# Altium PCB Main_Board.PcbDoc (part 11 of 19)
Units mil, origin at the board's own origin, x right, y up, seen from the top; angles counter-clockwise.
Board outline 5306 x 6610 mil, 12 copper layers ((L1) Top, (L2) Inner 1, (L3) Inner 2, (L4) Inner 3, (L5) Inner 4, (L6) Inner 5, (L7) Inner 6, (L8) Inner 7, (L9) Inner 8, (L10) Inner 9, (L11) Inner 10, (L12) Bottom), stack 94.81 mil thick; 347 components, 571 nets, 2611 pads, 4053 vias.
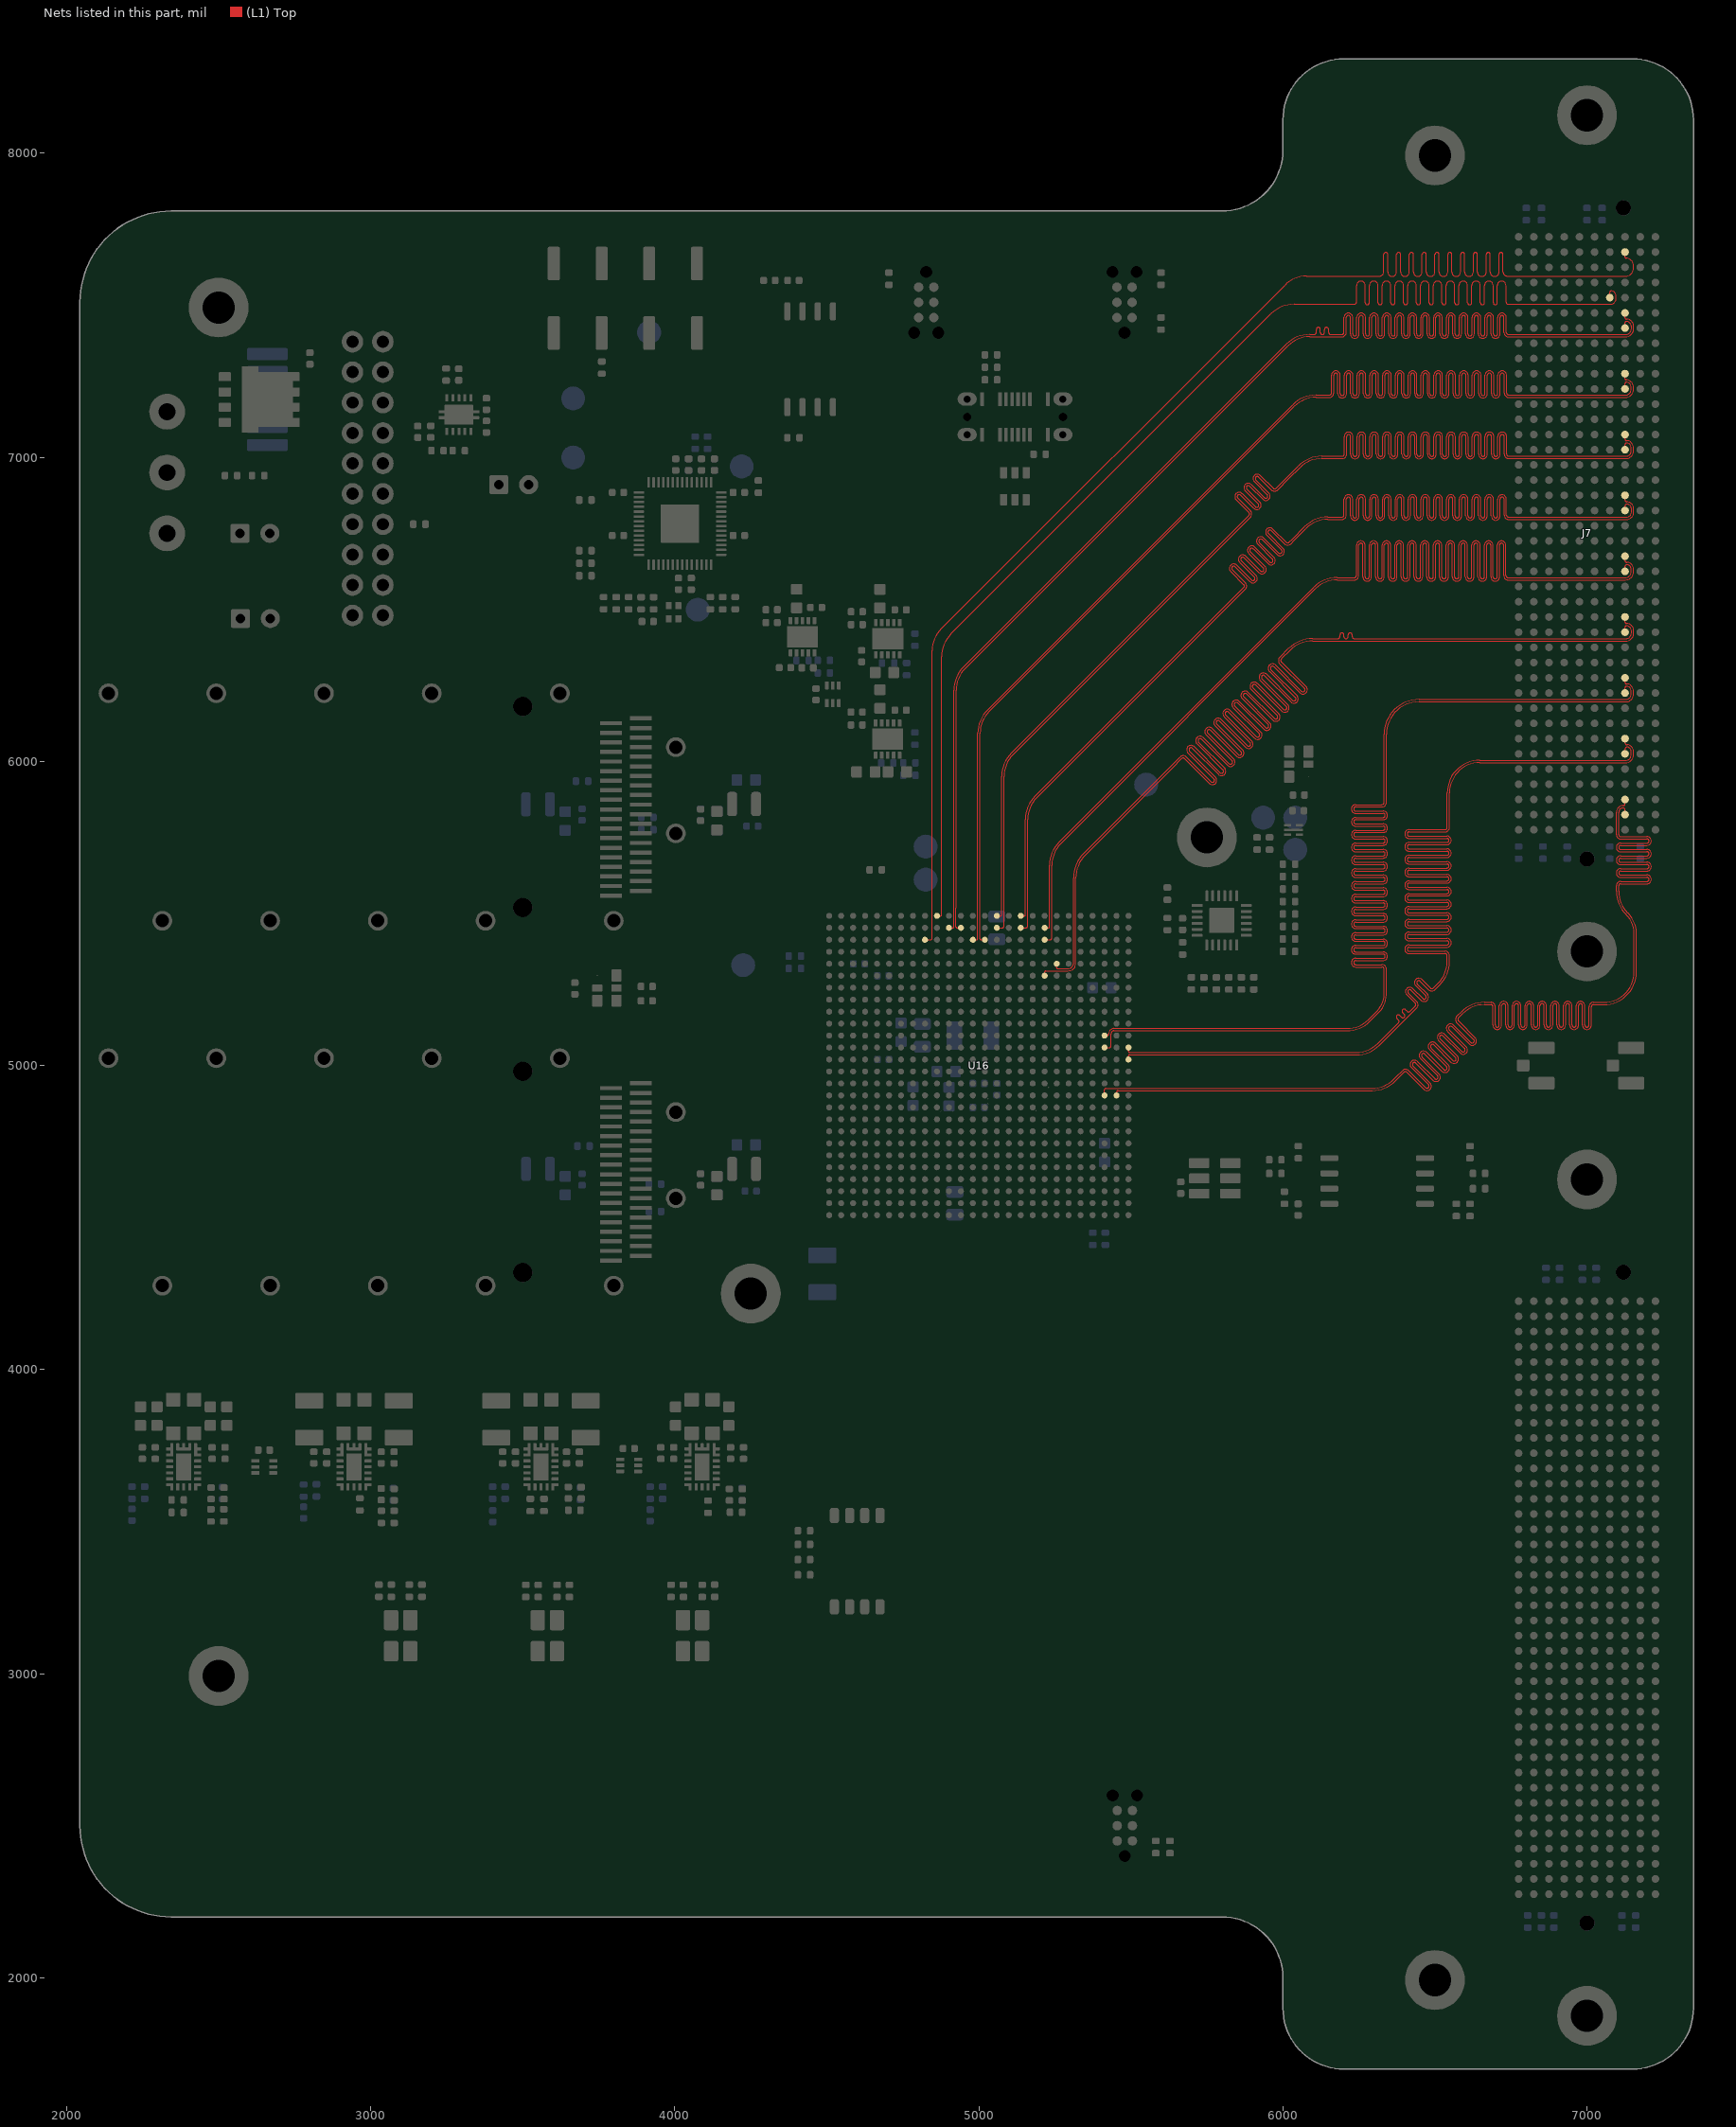
[diagram p21: the nets of this part, all layers, seen from the top]

## Via types
v1: diameter 13.78, hole 7.87, (L1) Top to (L12) Bottom, tented both sides, 4044 vias
v2: diameter 13.78, hole 7.87, (L1) Top to (L12) Bottom, tented bottom, 9 vias

## Nets (pads, with @x,y where several pads share a name; then routed paths per layer and width w, separated by ;. In a path a pad name is that pad's centre, name@x,y a point inside that pad or via, vN(x,y) a via of type N, cw(c..) or ccw(c..) an arc to the next point about the centre after c; other vN are vias at no path point) (continued)
HPCC_B_06_P: J7.C2 U16.C9 | length 5280.4
  (L1) Top w3.5: U16.C9@4822.83,5413.39 4840.74,5413.39 ccw(c4840.74,5419) 4846.35,5419 4846.35,5518.55 4846.55,5518.75 4846.55,6365.13 cw(c4946.55,6365.13) 4875.84,6435.84 6006.71,7566.71 cw(c6077.42,7496) 6077.42,7596 6311.77,7596 6317.29,7596 ccw(c6317.29,7610.3) 6331.59,7610.3 6331.59,7666.93 cw(c6338.34,7666.93) 6345.09,7666.93 6345.09,7609.22 ccw(c6359.39,7609.22) 6373.69,7609.22 6373.69,7666.93 cw(c6380.44,7666.93) 6387.19,7666.93 6387.19,7609.22 ccw(c6401.49,7609.22) 6415.79,7609.22 6415.79,7666.93 cw(c6422.54,7666.93) 6429.29,7666.93 6429.29,7609.22 ccw(c6443.59,7609.22) 6457.89,7609.22 6457.89,7666.93 cw(c6464.64,7666.93) 6471.39,7666.93 6471.39,7609.22 ccw(c6485.69,7609.22) 6499.99,7609.22 6499.99,7666.93 cw(c6506.74,7666.93) 6513.49,7666.93 6513.49,7609.22 ccw(c6527.79,7609.22) 6542.09,7609.22 6542.09,7666.93 cw(c6548.84,7666.93) 6555.59,7666.93 6555.59,7609.22 ccw(c6569.89,7609.22) 6584.19,7609.22 6584.19,7666.93 cw(c6590.94,7666.93) 6597.69,7666.93 6597.69,7609.22 ccw(c6611.99,7609.22) 6626.29,7609.22 6626.29,7666.93 cw(c6633.04,7666.93) 6639.79,7666.93 6639.79,7609.22 ccw(c6654.09,7609.22) 6668.39,7609.22 6668.39,7666.93 cw(c6675.14,7666.93) 6681.89,7666.93 6681.89,7609.22 ccw(c6696.19,7609.22) 6710.49,7609.22 6710.49,7666.93 cw(c6717.24,7666.93) 6723.99,7666.93 6723.99,7610.3 ccw(c6738.29,7610.3) 6738.29,7596 6771.94,7596 7126.55,7596 ccw(c7126.55,7622) 7152.55,7622 7152.55,7631 ccw(c7129,7631) 7129,7654.55 cw(c7129,7658.55) 7125,7658.55 J7.C2@7125,7675
HPCC_B_07_N: J7.C7 U16.B11 | length 5373.3
  (L1) Top w3.5: U16.B11@4901.57,5452.76 4914.08,5452.76 ccw(c4914.08,5456.26) 4916.56,5453.78 ccw(c4914.08,5456.26) 4917.58,5456.26 4917.58,6233.71 cw(c5025.13,6233.71) 4949.09,6309.76 6011.71,7372.38 cw(c6087.76,7296.34) 6087.76,7403.89 6101.17,7403.89 6102.92,7403.89 ccw(c6102.92,7410.64) 6109.67,7410.64 6109.67,7420.53 cw(c6116.42,7420.53) 6123.17,7420.53 6123.17,7410.44 ccw(c6129.92,7410.44) 6136.67,7410.44 6136.67,7420.53 cw(c6143.42,7420.53) 6150.17,7420.53 6150.17,7410.64 ccw(c6156.92,7410.64) 6156.92,7403.89 6167,7403.89 6167.64,7403.89 6194.12,7403.89 ccw(c6194.12,7410.64) 6200.87,7410.64 6200.87,7459.85 cw(c6215.17,7459.85) 6229.47,7459.85 6229.47,7405.79 ccw(c6236.22,7405.79) 6242.97,7405.79 6242.97,7459.85 cw(c6257.27,7459.85) 6271.57,7459.85 6271.57,7405.79 ccw(c6278.32,7405.79) 6285.07,7405.79 6285.07,7459.85 cw(c6299.37,7459.85) 6313.67,7459.85 6313.67,7405.79 ccw(c6320.42,7405.79) 6327.17,7405.79 6327.17,7459.85 cw(c6341.47,7459.85) 6355.77,7459.85 6355.77,7405.79 ccw(c6362.52,7405.79) 6369.27,7405.79 6369.27,7459.85 cw(c6383.57,7459.85) 6397.87,7459.85 6397.87,7405.79 ccw(c6404.62,7405.79) 6411.37,7405.79 6411.37,7459.85 cw(c6425.67,7459.85) 6439.97,7459.85 6439.97,7405.79 ccw(c6446.72,7405.79) 6453.47,7405.79 6453.47,7459.85 cw(c6467.77,7459.85) 6482.07,7459.85 6482.07,7405.79 ccw(c6488.82,7405.79) 6495.57,7405.79 6495.57,7459.85 cw(c6509.87,7459.85) 6524.17,7459.85 6524.17,7405.79 ccw(c6530.92,7405.79) 6537.67,7405.79 6537.67,7459.85 cw(c6551.97,7459.85) 6566.27,7459.85 6566.27,7405.79 ccw(c6573.02,7405.79) 6579.77,7405.79 6579.77,7459.85 cw(c6594.07,7459.85) 6608.37,7459.85 6608.37,7405.79 ccw(c6615.12,7405.79) 6621.87,7405.79 6621.87,7459.85 cw(c6636.17,7459.85) 6650.47,7459.85 6650.47,7405.79 ccw(c6657.22,7405.79) 6663.97,7405.79 6663.97,7459.85 cw(c6678.27,7459.85) 6692.57,7459.85 6692.57,7405.79 ccw(c6699.32,7405.79) 6706.07,7405.79 6706.07,7459.85 cw(c6720.37,7459.85) 6734.67,7459.85 6734.67,7410.64 ccw(c6741.42,7410.64) 6741.42,7403.89 6768,7403.89 7126.89,7403.89 ccw(c7126.89,7423) 7146,7423 7146,7430 ccw(c7129,7430) 7129,7447 ccw(c7129,7443) 7125,7443 J7.C7@7125,7425
HPCC_B_07_P: J7.C6 U16.B12 | length 5312.9
  (L1) Top w3.5: U16.B12@4940.94,5452.76 4928.43,5452.76 cw(c4928.43,5456.26) 4925.96,5453.78 cw(c4928.44,5456.26) 4924.93,5456.26 4924.93,5518.55 4925.13,5518.75 4925.13,6233.71 cw(c5025.13,6233.71) 4954.42,6304.42 6017.05,7367.05 cw(c6087.76,7296.34) 6087.76,7396.34 6167.64,7396.34 6194.12,7396.34 ccw(c6194.12,7410.64) 6208.42,7410.64 6208.42,7459.85 cw(c6215.17,7459.85) 6221.92,7459.85 6221.92,7405.79 ccw(c6236.22,7405.79) 6250.52,7405.79 6250.52,7459.85 cw(c6257.27,7459.85) 6264.02,7459.85 6264.02,7405.79 ccw(c6278.32,7405.79) 6292.62,7405.79 6292.62,7459.85 cw(c6299.37,7459.85) 6306.12,7459.85 6306.12,7405.79 ccw(c6320.42,7405.79) 6334.72,7405.79 6334.72,7459.85 cw(c6341.47,7459.85) 6348.22,7459.85 6348.22,7405.79 ccw(c6362.52,7405.79) 6376.82,7405.79 6376.82,7459.85 cw(c6383.57,7459.85) 6390.32,7459.85 6390.32,7405.79 ccw(c6404.62,7405.79) 6418.92,7405.79 6418.92,7459.85 cw(c6425.67,7459.85) 6432.42,7459.85 6432.42,7405.79 ccw(c6446.72,7405.79) 6461.02,7405.79 6461.02,7459.85 cw(c6467.77,7459.85) 6474.52,7459.85 6474.52,7405.79 ccw(c6488.82,7405.79) 6503.12,7405.79 6503.12,7459.85 cw(c6509.87,7459.85) 6516.62,7459.85 6516.62,7405.79 ccw(c6530.92,7405.79) 6545.22,7405.79 6545.22,7459.85 cw(c6551.97,7459.85) 6558.72,7459.85 6558.72,7405.79 ccw(c6573.02,7405.79) 6587.32,7405.79 6587.32,7459.85 cw(c6594.07,7459.85) 6600.82,7459.85 6600.82,7405.79 ccw(c6615.12,7405.79) 6629.42,7405.79 6629.42,7459.85 cw(c6636.17,7459.85) 6642.92,7459.85 6642.92,7405.79 ccw(c6657.22,7405.79) 6671.52,7405.79 6671.52,7459.85 cw(c6678.27,7459.85) 6685.02,7459.85 6685.02,7405.79 ccw(c6699.32,7405.79) 6713.62,7405.79 6713.62,7459.85 cw(c6720.37,7459.85) 6727.12,7459.85 6727.12,7410.64 ccw(c6741.42,7410.64) 6741.42,7396.34 6768,7396.34 7126.89,7396.34 ccw(c7126.89,7423) 7153.55,7423 7153.55,7430 ccw(c7129,7430) 7129,7454.55 cw(c7129,7458.55) 7125,7458.55 J7.C6@7125,7475
HPCC_B_08_N: J7.C11 U16.C13 | length 5403
  (L1) Top w3.5: U16.C13@4980.31,5413.39 4992.82,5413.39 ccw(c4992.82,5416.89) 4995.3,5414.41 ccw(c4992.82,5416.89) 4996.32,5416.89 4996.32,6092.45 cw(c5103.88,6092.45) 5027.83,6168.5 6032.37,7173.05 cw(c6108.42,7097) 6108.42,7204.55 6109.28,7204.55 6152.82,7204.55 ccw(c6152.82,7211.3) 6159.57,7211.3 6159.57,7269.87 cw(c6173.87,7269.87) 6188.17,7269.87 6188.17,7209.81 ccw(c6194.92,7209.81) 6201.67,7209.81 6201.67,7269.87 cw(c6215.97,7269.87) 6230.27,7269.87 6230.27,7209.81 ccw(c6237.02,7209.81) 6243.77,7209.81 6243.77,7269.87 cw(c6258.07,7269.87) 6272.37,7269.87 6272.37,7209.81 ccw(c6279.12,7209.81) 6285.87,7209.81 6285.87,7269.87 cw(c6300.17,7269.87) 6314.47,7269.87 6314.47,7209.81 ccw(c6321.22,7209.81) 6327.97,7209.81 6327.97,7269.87 cw(c6342.27,7269.87) 6356.57,7269.87 6356.57,7209.81 ccw(c6363.32,7209.81) 6370.07,7209.81 6370.07,7269.87 cw(c6384.37,7269.87) 6398.67,7269.87 6398.67,7209.81 ccw(c6405.42,7209.81) 6412.17,7209.81 6412.17,7269.87 cw(c6426.47,7269.87) 6440.77,7269.87 6440.77,7209.81 ccw(c6447.52,7209.81) 6454.27,7209.81 6454.27,7269.87 cw(c6468.57,7269.87) 6482.87,7269.87 6482.87,7209.81 ccw(c6489.62,7209.81) 6496.37,7209.81 6496.37,7269.87 cw(c6510.67,7269.87) 6524.97,7269.87 6524.97,7209.81 ccw(c6531.72,7209.81) 6538.47,7209.81 6538.47,7269.87 cw(c6552.77,7269.87) 6567.07,7269.87 6567.07,7209.81 ccw(c6573.82,7209.81) 6580.57,7209.81 6580.57,7269.87 cw(c6594.87,7269.87) 6609.17,7269.87 6609.17,7209.81 ccw(c6615.92,7209.81) 6622.67,7209.81 6622.67,7269.87 cw(c6636.97,7269.87) 6651.27,7269.87 6651.27,7209.81 ccw(c6658.02,7209.81) 6664.77,7209.81 6664.77,7269.87 cw(c6679.07,7269.87) 6693.37,7269.87 6693.37,7209.81 ccw(c6700.12,7209.81) 6706.87,7209.81 6706.87,7269.87 cw(c6721.17,7269.87) 6735.47,7269.87 6735.47,7211.3 ccw(c6742.22,7211.3) 6742.22,7204.55 6768.79,7204.55 7126.55,7204.55 ccw(c7126.55,7223) 7145,7223 7145,7231 ccw(c7129,7231) 7129,7247 ccw(c7129,7243) 7125,7243 J7.C11@7125,7225
HPCC_B_08_P: J7.C10 U16.C14 | length 5413.4
  (L1) Top w3.5: 5003.67,5416.89 ccw(c5007.18,5416.89) 5004.7,5414.41 ccw(c5007.17,5416.89) 5007.17,5413.39 U16.C14@5019.69,5413.39 ; 5003.68,5416.89 5003.68,5518.55 5003.88,5518.75 5003.88,6092.45 cw(c5103.88,6092.45) 5033.16,6163.16 6037.71,7167.71 cw(c6108.42,7097) 6108.42,7197 6109.28,7197 6152.82,7197 ccw(c6152.82,7211.3) 6167.12,7211.3 6167.12,7269.87 cw(c6173.87,7269.87) 6180.62,7269.87 6180.62,7209.81 ccw(c6194.92,7209.81) 6209.22,7209.81 6209.22,7269.87 cw(c6215.97,7269.87) 6222.72,7269.87 6222.72,7209.81 ccw(c6237.02,7209.81) 6251.32,7209.81 6251.32,7269.87 cw(c6258.07,7269.87) 6264.82,7269.87 6264.82,7209.81 ccw(c6279.12,7209.81) 6293.42,7209.81 6293.42,7269.87 cw(c6300.17,7269.87) 6306.92,7269.87 6306.92,7209.81 ccw(c6321.22,7209.81) 6335.52,7209.81 6335.52,7269.87 cw(c6342.27,7269.87) 6349.02,7269.87 6349.02,7209.81 ccw(c6363.32,7209.81) 6377.62,7209.81 6377.62,7269.87 cw(c6384.37,7269.87) 6391.12,7269.87 6391.12,7209.81 ccw(c6405.42,7209.81) 6419.72,7209.81 6419.72,7269.87 cw(c6426.47,7269.87) 6433.22,7269.87 6433.22,7209.81 ccw(c6447.52,7209.81) 6461.82,7209.81 6461.82,7269.87 cw(c6468.57,7269.87) 6475.32,7269.87 6475.32,7209.81 ccw(c6489.62,7209.81) 6503.92,7209.81 6503.92,7269.87 cw(c6510.67,7269.87) 6517.42,7269.87 6517.42,7209.81 ccw(c6531.72,7209.81) 6546.02,7209.81 6546.02,7269.87 cw(c6552.77,7269.87) 6559.52,7269.87 6559.52,7209.81 ccw(c6573.82,7209.81) 6588.12,7209.81 6588.12,7269.87 cw(c6594.87,7269.87) 6601.62,7269.87 6601.62,7209.81 ccw(c6615.92,7209.81) 6630.22,7209.81 6630.22,7269.87 cw(c6636.97,7269.87) 6643.72,7269.87 6643.72,7209.81 ccw(c6658.02,7209.81) 6672.32,7209.81 6672.32,7269.87 cw(c6679.07,7269.87) 6685.82,7269.87 6685.82,7209.81 ccw(c6700.12,7209.81) 6714.42,7209.81 6714.42,7269.87 cw(c6721.17,7269.87) 6727.92,7269.87 6727.92,7211.3 ccw(c6742.22,7211.3) 6742.22,7197 6768.79,7197 7126.55,7197 ccw(c7126.55,7223) 7152.55,7223 7152.55,7231 ccw(c7129,7231) 7129,7254.55 cw(c7129,7258.55) 7125,7258.55 J7.C10@7125,7275
HPCC_B_09_N: J7.C15 U16.A15 | length 5331.8
  (L1) Top w3.5: U16.A15@5059.06,5492.13 5071.71,5492.13 ccw(c5071.71,5495.41) 5075,5495.41 5075,5951.13 cw(c5182.55,5951.13) 5106.5,6027.18 5884.16,6804.84 5888.07,6808.75 ccw(c5883.3,6813.52) 5888.05,6818.31 5846.08,6860.28 ; 5846.02,6880.5 ccw(c5856.16,6870.42) 5846.07,6860.29 ; 5846.05,6880.53 cw(c5856.16,6870.42) 5865.03,6881.64 5865.17,6881.64 5909.16,6837.64 ccw(c5913.94,6842.42) 5918.71,6837.64 ccw(c5913.94,6842.42) 5918.7,6847.2 5875.85,6890.05 cw(c5885.93,6900.19) 5875.79,6910.27 ; 5875.82,6910.3 cw(c5885.93,6900.19) 5894.8,6911.41 5894.94,6911.41 5938.93,6867.41 ccw(c5943.7,6872.19) 5948.48,6867.41 ccw(c5943.7,6872.19) 5948.47,6876.97 ; 5905.55,6940.04 ccw(c5915.7,6929.96) 5905.61,6919.82 5948.45,6876.98 ; 5905.59,6940.07 cw(c5915.7,6929.96) 5924.57,6941.18 5924.71,6941.18 5967.83,6898.05 ccw(c5972.6,6902.83) 5977.38,6898.05 6015.16,6935.84 6051.37,6972.05 cw(c6127.42,6896) 6127.42,7003.55 6189.39,7003.55 6194.91,7003.55 ccw(c6194.91,7010.3) 6201.66,7010.3 6201.66,7068.25 cw(c6215.96,7068.25) 6230.26,7068.25 6230.26,7009.76 ccw(c6237.01,7009.76) 6243.76,7009.76 6243.76,7068.25 cw(c6258.06,7068.25) 6272.36,7068.25 6272.36,7009.76 ccw(c6279.11,7009.76) 6285.86,7009.76 6285.86,7068.25 cw(c6300.16,7068.25) 6314.46,7068.25 6314.46,7009.76 ccw(c6321.21,7009.76) 6327.96,7009.76 6327.96,7068.25 cw(c6342.26,7068.25) 6356.56,7068.25 6356.56,7009.76 ccw(c6363.31,7009.76) 6370.06,7009.76 6370.06,7068.25 cw(c6384.36,7068.25) 6398.66,7068.25 6398.66,7009.76 ccw(c6405.41,7009.76) 6412.16,7009.76 6412.16,7068.25 cw(c6426.46,7068.25) 6440.76,7068.25 6440.76,7009.76 ccw(c6447.51,7009.76) 6454.26,7009.76 6454.26,7068.25 cw(c6468.56,7068.25) 6482.86,7068.25 6482.86,7009.76 ccw(c6489.61,7009.76) 6496.36,7009.76 6496.36,7068.25 cw(c6510.66,7068.25) 6524.96,7068.25 6524.96,7009.76 ccw(c6531.71,7009.76) 6538.46,7009.76 6538.46,7068.25 cw(c6552.76,7068.25) 6567.06,7068.25 6567.06,7009.76 ccw(c6573.81,7009.76) 6580.56,7009.76 6580.56,7068.25 cw(c6594.86,7068.25) 6609.16,7068.25 6609.16,7009.76 ccw(c6615.91,7009.76) 6622.66,7009.76 6622.66,7068.25 cw(c6636.96,7068.25) 6651.26,7068.25 6651.26,7009.76 ccw(c6658.01,7009.76) 6664.76,7009.76 6664.76,7068.25 cw(c6679.06,7068.25) 6693.36,7068.25 6693.36,7009.76 ccw(c6700.11,7009.76) 6706.86,7009.76 6706.86,7068.25 cw(c6721.16,7068.25) 6735.46,7068.25 6735.46,7010.3 ccw(c6742.21,7010.3) 6742.21,7003.55 6778.39,7003.55 7128.55,7003.55 ccw(c7128.55,7020) 7145,7020 7145,7032 ccw(c7130,7032) 7130,7047 ccw(c7130,7042) 7125,7042 J7.C15@7125,7025
HPCC_B_09_P: J7.C14 U16.B15 | length 5388.3
  (L1) Top w3.5: U16.B15@5059.06,5452.76 5077.7,5452.76 ccw(c5077.7,5457.41) 5082.35,5457.41 5082.35,5518.55 5082.55,5518.75 5082.55,5951.13 cw(c5182.55,5951.13) 5111.84,6021.84 5889.5,6799.5 5893.41,6803.41 ccw(c5883.3,6813.52) 5894.51,6822.39 5894.51,6822.52 5893.42,6823.62 ; 5860.96,6875.17 5903.8,6832.33 ccw(c5913.94,6842.42) 5924.01,6832.27 ; 5860.94,6875.18 ccw(c5856.16,6870.42) 5851.39,6875.19 ccw(c5856.16,6870.42) 5851.39,6865.65 5893.41,6823.63 ; 5890.71,6904.95 ccw(c5885.93,6900.19) 5881.16,6904.96 ccw(c5885.93,6900.19) 5881.16,6895.42 5925.15,6851.42 5925.15,6851.29 cw(c5913.94,6842.42) 5924.05,6832.31 ; 5890.73,6904.94 5933.57,6862.1 ccw(c5943.7,6872.19) 5953.78,6862.04 ccw(c5943.7,6872.19) 5954.92,6881.05 5954.92,6881.19 5910.93,6925.19 cw(c5915.7,6929.96) 5910.93,6934.73 cw(c5915.7,6929.96) 5920.48,6934.72 5962.49,6892.71 ccw(c5972.6,6902.83) 5982.71,6892.71 6020.5,6930.5 6056.71,6966.71 cw(c6127.42,6896) 6127.42,6996 6189.39,6996 6194.91,6996 ccw(c6194.91,7010.3) 6209.21,7010.3 6209.21,7068.25 cw(c6215.96,7068.25) 6222.71,7068.25 6222.71,7009.76 ccw(c6237.01,7009.76) 6251.31,7009.76 6251.31,7068.25 cw(c6258.06,7068.25) 6264.81,7068.25 6264.81,7009.76 ccw(c6279.11,7009.76) 6293.41,7009.76 6293.41,7068.25 cw(c6300.16,7068.25) 6306.91,7068.25 6306.91,7009.76 ccw(c6321.21,7009.76) 6335.51,7009.76 6335.51,7068.25 cw(c6342.26,7068.25) 6349.01,7068.25 6349.01,7009.76 ccw(c6363.31,7009.76) 6377.61,7009.76 6377.61,7068.25 cw(c6384.36,7068.25) 6391.11,7068.25 6391.11,7009.76 ccw(c6405.41,7009.76) 6419.71,7009.76 6419.71,7068.25 cw(c6426.46,7068.25) 6433.21,7068.25 6433.21,7009.76 ccw(c6447.51,7009.76) 6461.81,7009.76 6461.81,7068.25 cw(c6468.56,7068.25) 6475.31,7068.25 6475.31,7009.76 ccw(c6489.61,7009.76) 6503.91,7009.76 6503.91,7068.25 cw(c6510.66,7068.25) 6517.41,7068.25 6517.41,7009.76 ccw(c6531.71,7009.76) 6546.01,7009.76 6546.01,7068.25 cw(c6552.76,7068.25) 6559.51,7068.25 6559.51,7009.76 ccw(c6573.81,7009.76) 6588.11,7009.76 6588.11,7068.25 cw(c6594.86,7068.25) 6601.61,7068.25 6601.61,7009.76 ccw(c6615.91,7009.76) 6630.21,7009.76 6630.21,7068.25 cw(c6636.96,7068.25) 6643.71,7068.25 6643.71,7009.76 ccw(c6658.01,7009.76) 6672.31,7009.76 6672.31,7068.25 cw(c6679.06,7068.25) 6685.81,7068.25 6685.81,7009.76 ccw(c6700.11,7009.76) 6714.41,7009.76 6714.41,7068.25 cw(c6721.16,7068.25) 6727.91,7068.25 6727.91,7010.3 ccw(c6742.21,7010.3) 6742.21,6996 6778.39,6996 7128.55,6996 ccw(c7128.55,7020) 7152.55,7020 7152.55,7032 ccw(c7130,7032) 7130,7054.55 cw(c7130,7059.55) 7125,7059.55 J7.C14@7125,7075
HPCC_B_10_N: J7.C19 U16.A17 | length 5344.2
  (L1) Top w3.5: U16.A17@5137.8,5492.13 5137.8,5492 5149,5492 ccw(c5149,5496) 5153,5496 5153,5809.13 cw(c5260.55,5809.13) 5184.5,5885.18 5867.33,6568.01 5871.24,6571.91 ccw(c5866.46,6576.69) 5871.22,6581.48 5827.98,6624.72 ; 5827.92,6644.93 ccw(c5838.06,6634.86) 5827.97,6624.72 ; 5827.95,6644.97 cw(c5838.06,6634.86) 5846.93,6646.07 5847.07,6646.07 5896.66,6596.48 ccw(c5901.43,6601.25) 5906.21,6596.48 ccw(c5901.43,6601.25) 5906.2,6606.04 5857.75,6654.49 cw(c5867.83,6664.62) 5857.69,6674.7 ; 5857.72,6674.74 cw(c5867.83,6664.62) 5876.7,6675.84 5876.84,6675.84 5926.43,6626.25 ccw(c5931.2,6631.02) 5935.98,6626.25 ccw(c5931.2,6631.02) 5935.97,6635.81 5887.52,6684.26 cw(c5897.6,6694.39) 5887.46,6704.47 ; 5887.49,6704.51 cw(c5897.6,6694.39) 5906.47,6705.61 5906.61,6705.61 5956.2,6656.02 ccw(c5960.97,6660.79) 5965.74,6656.02 ccw(c5960.97,6660.79) 5965.73,6665.58 ; 5946.99,6764.01 ccw(c5957.14,6753.93) 5947.05,6743.8 5995.49,6695.36 cw(c5990.74,6690.56) 5995.51,6685.79 cw(c5990.74,6690.56) 5985.97,6685.79 5936.38,6735.38 5936.24,6735.38 ccw(c5927.37,6724.16) 5917.26,6734.27 ccw(c5927.37,6724.16) 5917.28,6714.03 5965.72,6665.59 ; 5947.03,6764.04 cw(c5957.14,6753.93) 5966.01,6765.15 5966.15,6765.15 6010.54,6720.76 ccw(c6015.31,6725.53) 6020.08,6720.76 6031.68,6732.36 6071.37,6772.05 cw(c6147.42,6696) 6147.42,6803.55 ; 6147.46,6803.55 6194.37,6803.55 ccw(c6194.37,6810.3) 6201.12,6810.3 6201.12,6862.31 cw(c6215.42,6862.31) 6229.72,6862.31 6229.72,6807.52 ccw(c6236.47,6807.52) 6243.22,6807.52 6243.22,6862.31 cw(c6257.52,6862.31) 6271.82,6862.31 6271.82,6807.52 ccw(c6278.57,6807.52) 6285.32,6807.52 6285.32,6862.31 cw(c6299.62,6862.31) 6313.92,6862.31 6313.92,6807.52 ccw(c6320.67,6807.52) 6327.42,6807.52 6327.42,6862.31 cw(c6341.72,6862.31) 6356.02,6862.31 6356.02,6807.52 ccw(c6362.77,6807.52) 6369.52,6807.52 6369.52,6862.31 cw(c6383.82,6862.31) 6398.12,6862.31 6398.12,6807.52 ccw(c6404.87,6807.52) 6411.62,6807.52 6411.62,6862.31 cw(c6425.92,6862.31) 6440.22,6862.31 6440.22,6807.52 ccw(c6446.97,6807.52) 6453.72,6807.52 6453.72,6862.31 cw(c6468.02,6862.31) 6482.32,6862.31 6482.32,6807.52 ccw(c6489.07,6807.52) 6495.82,6807.52 6495.82,6862.31 cw(c6510.12,6862.31) 6524.42,6862.31 6524.42,6807.52 ccw(c6531.17,6807.52) 6537.92,6807.52 6537.92,6862.31 cw(c6552.22,6862.31) 6566.52,6862.31 6566.52,6807.52 ccw(c6573.27,6807.52) 6580.02,6807.52 6580.02,6862.31 cw(c6594.32,6862.31) 6608.62,6862.31 6608.62,6807.52 ccw(c6615.37,6807.52) 6622.12,6807.52 6622.12,6862.31 cw(c6636.42,6862.31) 6650.72,6862.31 6650.72,6807.52 ccw(c6657.47,6807.52) 6664.22,6807.52 6664.22,6862.31 cw(c6678.52,6862.31) 6692.82,6862.31 6692.82,6807.52 ccw(c6699.57,6807.52) 6706.32,6807.52 6706.32,6862.31 cw(c6720.62,6862.31) 6734.92,6862.31 6734.92,6810.3 ccw(c6741.67,6810.3) 6741.67,6803.55 6810.35,6803.55 7130.55,6803.55 ccw(c7130.55,6819) 7146,6819 7146,6831 ccw(c7131,6831) 7131,6846 ccw(c7131,6840) 7125,6840 J7.C19@7125,6825
HPCC_B_10_P: J7.C18 U16.B17 | length 5402.5
  (L1) Top w3.5: U16.B17@5137.8,5452.76 5137.8,5453 5155,5453 ccw(c5155,5458.35) 5160.35,5458.35 5160.35,5518.55 5160.55,5518.75 5160.55,5809.13 cw(c5260.55,5809.13) 5189.84,5879.84 5872.67,6562.67 5876.58,6566.58 ccw(c5866.46,6576.69) 5877.68,6585.56 5877.68,6585.69 5876.59,6586.79 5833.29,6630.08 cw(c5838.06,6634.86) 5833.29,6639.63 cw(c5838.06,6634.86) 5842.85,6639.62 5891.3,6591.17 ccw(c5901.43,6601.25) 5911.51,6591.11 ; 5872.62,6669.39 ccw(c5867.83,6664.62) 5863.06,6669.4 ccw(c5867.83,6664.62) 5863.06,6659.85 5912.65,6610.26 5912.65,6610.12 cw(c5901.43,6601.25) 5911.55,6591.14 ; 5872.63,6669.37 5921.07,6620.94 ccw(c5931.2,6631.02) 5941.28,6620.88 ccw(c5931.2,6631.02) 5942.42,6639.89 5942.42,6640.03 5892.83,6689.62 cw(c5897.6,6694.39) 5892.83,6699.17 cw(c5897.6,6694.39) 5902.38,6699.16 5950.83,6650.71 ccw(c5960.97,6660.79) 5971.05,6650.65 ; 5932.17,6728.91 5980.6,6680.48 ; 5932.15,6728.93 ccw(c5927.37,6724.16) 5922.6,6728.94 ccw(c5927.37,6724.16) 5922.6,6719.39 5972.19,6669.8 5972.19,6669.66 cw(c5960.97,6660.79) 5971.08,6650.68 ; 5961.92,6758.69 ccw(c5957.14,6753.93) 5952.37,6758.7 ccw(c5957.14,6753.93) 5952.37,6749.16 6001.96,6699.57 6001.96,6699.43 cw(c5990.74,6690.56) 6000.85,6680.45 ; 5961.94,6758.68 6005.2,6715.42 ccw(c6015.31,6725.53) 6025.42,6715.42 6037.02,6727.02 6076.71,6766.71 cw(c6147.42,6696) 6147.42,6796 ; 5980.61,6680.47 ccw(c5990.74,6690.56) 6000.82,6680.42 ; 6147.46,6796 6194.37,6796 ccw(c6194.37,6810.3) 6208.67,6810.3 6208.67,6862.31 cw(c6215.42,6862.31) 6222.17,6862.31 6222.17,6807.52 ccw(c6236.47,6807.52) 6250.77,6807.52 6250.77,6862.31 cw(c6257.52,6862.31) 6264.27,6862.31 6264.27,6807.52 ccw(c6278.57,6807.52) 6292.87,6807.52 6292.87,6862.31 cw(c6299.62,6862.31) 6306.37,6862.31 6306.37,6807.52 ccw(c6320.67,6807.52) 6334.97,6807.52 6334.97,6862.31 cw(c6341.72,6862.31) 6348.47,6862.31 6348.47,6807.52 ccw(c6362.77,6807.52) 6377.07,6807.52 6377.07,6862.31 cw(c6383.82,6862.31) 6390.57,6862.31 6390.57,6807.52 ccw(c6404.87,6807.52) 6419.17,6807.52 6419.17,6862.31 cw(c6425.92,6862.31) 6432.67,6862.31 6432.67,6807.52 ccw(c6446.97,6807.52) 6461.27,6807.52 6461.27,6862.31 cw(c6468.02,6862.31) 6474.77,6862.31 6474.77,6807.52 ccw(c6489.07,6807.52) 6503.37,6807.52 6503.37,6862.31 cw(c6510.12,6862.31) 6516.87,6862.31 6516.87,6807.52 ccw(c6531.17,6807.52) 6545.47,6807.52 6545.47,6862.31 cw(c6552.22,6862.31) 6558.97,6862.31 6558.97,6807.52 ccw(c6573.27,6807.52) 6587.57,6807.52 6587.57,6862.31 cw(c6594.32,6862.31) 6601.07,6862.31 6601.07,6807.52 ccw(c6615.37,6807.52) 6629.67,6807.52 6629.67,6862.31 cw(c6636.42,6862.31) 6643.17,6862.31 6643.17,6807.52 ccw(c6657.47,6807.52) 6671.77,6807.52 6671.77,6862.31 cw(c6678.52,6862.31) 6685.27,6862.31 6685.27,6807.52 ccw(c6699.57,6807.52) 6713.87,6807.52 6713.87,6862.31 cw(c6720.62,6862.31) 6727.37,6862.31 6727.37,6810.3 ccw(c6741.67,6810.3) 6741.67,6796 6810.35,6796 7130.55,6796 ccw(c7130.55,6819) 7153.55,6819 7153.55,6831 ccw(c7131,6831) 7131,6853.55 cw(c7131,6859.55) 7125,6859.55 J7.C18@7125,6875